# Altium PCB iono_pico.PcbDoc (part 1 of 2) (continued)
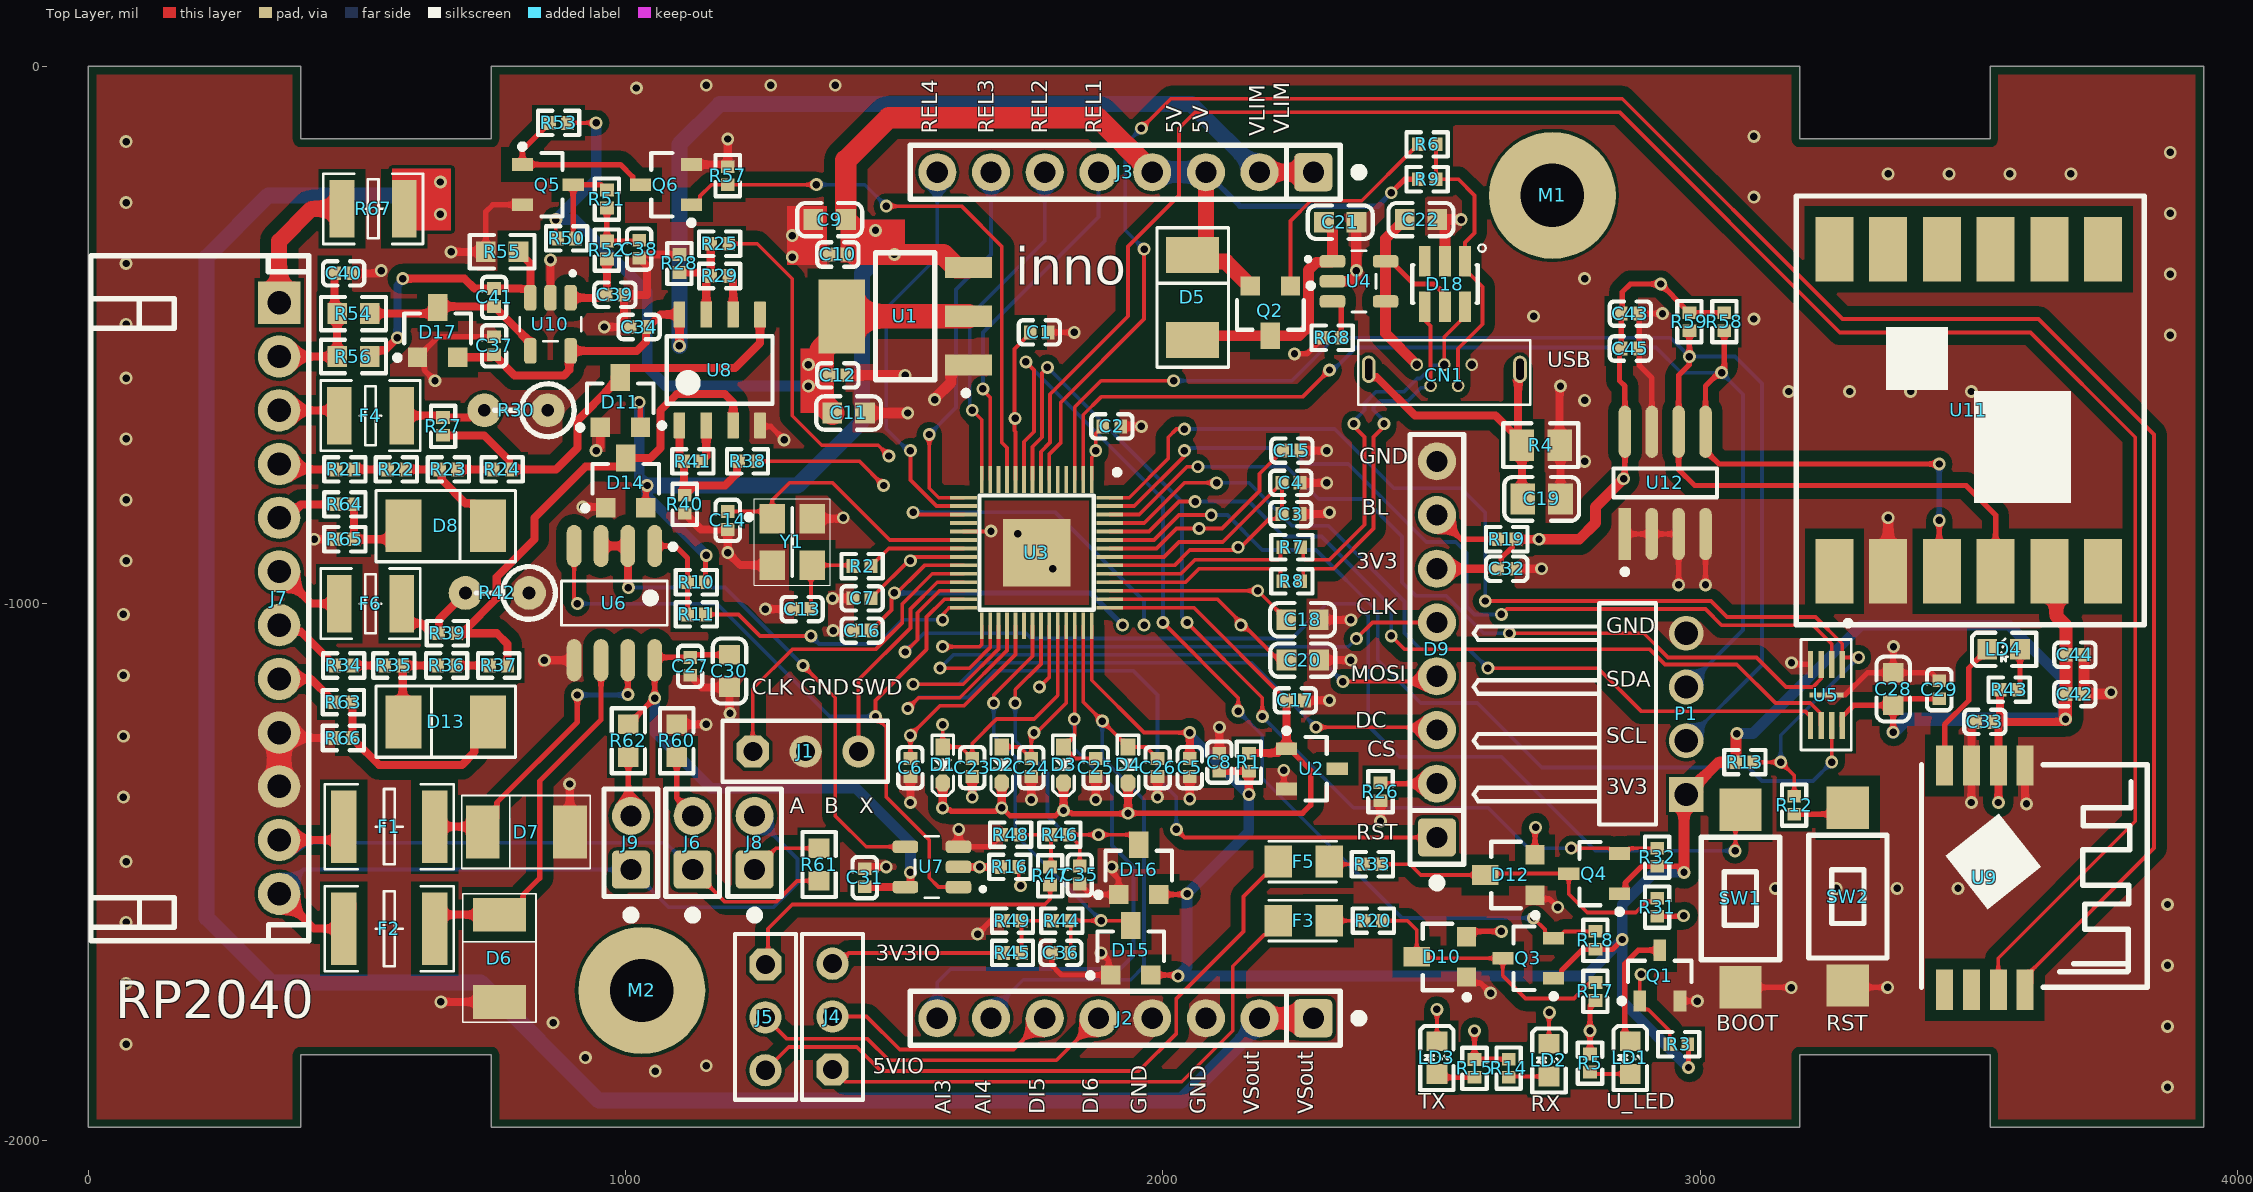
[diagram p0: Top Layer view]
## Components (designator, comment, footprint, x,y, rotation, side; value= is the part's Value field where it differs from the comment) (continued)
J6 "HDR-S-1x2Pos" "Pin Header 1x2 TH Pitch 2.54mm" 1124.69,-1495 r90 top
J7 "HDR-S-1x12Pos" KF2EDGK-2.54-WI-12P 355,-990 r270 top locked
J8 "HDR-S-1x2Pos" "Pin Header 1x2 TH Pitch 2.54mm" 1240,-1495 r90 top
J9 "HDR-S-1x2Pos" "Pin Header 1x2 TH Pitch 2.54mm" 1009.69,-1495 r90 top
LD1 "Red" 0603_LED 2870,-1845 r270 top
LD2 "Red" 0603_LED 2718.58,-1849.68 r270 top
LD3 "Blue" 0603_LED 2510,-1845 r270 top
LD4 "Red" 0603_LED 3565,-1085 r0 top
M1 "THHole-Param" MTG300_600 2725,-240 r0 top
M2 "THHole-Param" MTG300_600 1030,-1720 r0 top
P1 "61300411021" HDR-2.54-1x4-H 2865,-1205 r270 top
Q1 "BSS123" SOT95P245X110-3N 2925,-1692.24 r0 top
Q2 "PMV48XP" SOT-23-3 2200,-455 r90 top
Q3 "BSS123" SOT95P245X110-3N 2680,-1660 r90 top
Q4 "BSS123" SOT95P245X110-3N 2802.76,-1502.4 r90 top
Q5 "BSS123" SOT95P245X110-3N 855,-220 r270 top
Q6 "BSS123" SOT95P245X110-3N 1075,-220 r90 top
R1 "330R ±1%" 0402_R 2160,-1295 r90 top
R2 "1K ±1%" 0402_R 1440,-930 r180 top
R3 "10K ±1%" 0402_R 2960,-1820 r180 top
R4 "1M ±1%" 0805_R 2703.27,-705 r0 top
R5 "15K ±1%" 0402_R 2795,-1855 r270 top
R6 "47K ±1%" 0402_R 2491.73,-145 r180 top
R7 "27R ±1%" 0402_R 2240,-895 r0 top
R8 "27R ±1%" 0402_R 2240,-958.33 r0 top
R9 "10K ±1%" 0402_R 2491.73,-210 r0 top
R10 "4K7 ±1%" 0402_R 1131.73,-960 r0 top
R11 "10K ±1%" 0402_R 1131.73,-1020 r180 top
R12 "1K ±1%" 0402_R 3175,-1375 r270 top
R13 "10K ±1%" 0402_R 3083.27,-1295 r0 top
R14 "1K2 ±1%" 0402_R 2643.58,-1864.68 r90 top
R15 "1K2 ±1%" 0402_R 2580,-1865 r90 top
R16 "10K ±1%" 0402_R 1715,-1490 r180 top
R17 "220R ±1%" 0402_R 2805,-1721.73 r90 top
R18 "10K ±1%" 0402_R 2805,-1626.73 r90 top
R19 "2K2±1%" 0402_R 2640,-880 r0 top
R20 "220R ±1%" 0402_R 2391.73,-1590 r0 top
R21 "330K ±1%" 0402_R 477.32,-750 r180 top
R22 "45K3 ±1%" 0402_R 573.27,-750 r180 top
R23 "47K ±1%" 0402_R 670,-750 r180 top
R24 "1K8 ±1%" 0402_R 770,-750 r180 top
R25 "2K2±1%" 0402_R 1175,-330 r0 top
R26 "10K ±1%" 0402_R 2405,-1350 r270 top
R27 "47K ±1%" 0402_R 660,-670 r90 top
R28 "10K ±1%" 0402_R 1100,-366.73 r90 top
R29 "47K ±1%" 0402_R 1175,-390 r0 top
R30 "120R ±1%" "RS 1/4W-V3" 855,-640 r180 top
R31 "220R ±1%" 0402_R 2920,-1565 r90 top
R32 "10K ±1%" 0402_R 2920,-1471.73 r90 top
R33 "220R ±1%" 0402_R 2390,-1485 r0 top
R34 "330K ±1%" 0402_R 475,-1115 r180 top
R35 "45K3 ±1%" 0402_R 568.27,-1115 r180 top
R36 "47K ±1%" 0402_R 666.73,-1115 r180 top
R37 "1K8 ±1%" 0402_R 763.27,-1115 r180 top
R38 "2K2±1%" 0402_R 1226.73,-735 r0 top
R39 "47K ±1%" 0402_R 668.27,-1055 r180 top
R40 "10K ±1%" 0402_R 1110,-815 r270 top
R41 "47K ±1%" 0402_R 1125,-735 r0 top
R42 "120R ±1%" "RS 1/4W-V3" 820,-980 r180 top
R43 "4K7 ±1%" 0402_R 3575,-1160 r180 top
R44 "100K ±1%" 0402_R 1811.73,-1590 r180 top
R45 "4K7 ±1%" 0402_R 1720,-1650 r180 top
R46 "100K ±1%" 0402_R 1808.27,-1430 r180 top
R47 "4K7 ±1%" 0402_R 1790,-1506.73 r270 top
R48 "2K2 ±1%" 0402_R 1716.73,-1430 r180 top
R49 "2K2 ±1%" 0402_R 1720,-1590 r180 top
R50 "1K ±1%" 0402_R 890,-320 r0 top
R51 "680K ±1%" 0402_R 965,-246.73 r270 top
R52 "680K ±1%" 0402_R 965,-341.73 r270 top
R53 "3K3 ±1%" 0402_R 875,-105 r180 top
R54 "100R ±1%" 0603_R 493.27,-460 r180 top
R55 "330K ±1%" 0603_R 770,-345 r0 top
R56 "680K ±1%" 0603_R 493.27,-540 r180 top
R57 "4K7 ±1%" 0402_R 1190,-203.27 r90 top
R58 "2K2 ±1%" 0402_R 3045,-475 r270 top
R59 "2K2 ±1%" 0402_R 2980,-475 r270 top
R60 "620R ±1%" 0603_R 1095,-1255 r90 top
R61 "120R ±1%" 0603_R 1360,-1485.63 r90 top
R62 "620R ±1%" 0603_R 1005,-1255 r90 top
R63 "1K ±1%" 0402_R 474.41,-1183.27 r0 top
R64 "1K ±1%" 0402_R 477.32,-815 r0 top
R65 "3K3 ±1%" 0402_R 477.32,-880 r0 top
R66 "3K3 ±1%" 0402_R 474.41,-1250 r0 top
R67 "0R" 1210_R 530,-265 r180 top
R68 "15K ±1%" 0402_R 2315,-505 r0 top
SW1 "=Family" KEY-SMD_L6.1-W3.7-LS8.0 3075,-1548.72 r90 top
SW2 "=Family" KEY-SMD_L6.1-W3.7-LS8.0 3275,-1545.35 r90 top
U1 "AMS1117-3.3" SOT-223 1520,-465 r90 top
U2 "LM4040BIM3-3.0/NOPB" SOT23 2277.24,-1307.4 r270 top
U3 "PICO" RP2040 1765,-905 r270 top
U4 "SY6280AAAC" SOT-23-5 2365,-400 r0 top
U5 "W25Q16JVUXIQ" W25Q16JVUXIQ_WIN 3235,-1170 r270 top
U6 "SP485EN-L" SOIC8 980,-1000 r270 top
U7 "SN74AHC1G00DBVRG4" SOT-23-5 1570,-1490 r180 top
U8 "MCP607T-I/SN" D0008A_L 1175,-565 r0 top
U9 "CH_BLE2U" CH_BLE2U 3505,-1510 r270 top
U10 "TSX561A" SOT-23-5 860,-480 r270 top
U11 "WT_MPU6050" WT_MPU6050 3500,-640 r270 top
U12 "AT24C16" FP-SO8N-SO-A-IPC_A 2935,-775.12 r0 top
Y1 "12Mhz  50ppm" OSC_SI-TIME_SIT1602-2 1310,-885 r270 top

## Footprints (in the part's own frame and the unit in brackets; to place one, negate y for a bottom-side part, rotate by r counter-clockwise, add the part's x,y. Pads: shape width x height; smd on the part's side, far side on the other; paste and mask are expansions set on the pad)
0402_C [mm]
  rect 0.6x0.65 smd mask+0.051: 1(-0.425,0) 2(0.425,0)
  silkscreen extent -0.97,-0.58 0.97,0.58, body extent -0.48,-0.3 0.52,0.3, height 0.2
0402_R [mm]
  rect 0.6x0.65 smd mask+0.051: 1(-0.425,0) 2(0.425,0)
  silkscreen extent -0.97,-0.58 0.97,0.58, body extent -0.57,-0.27 0.58,0.28, height 0.41
0603_C [mm]
  rect 0.93x0.98 smd: 1(-0.77,0) 2(0.77,0)
  silkscreen extent -1.53,-0.79 1.54,0.79, body extent -0.8,-0.4 0.8,0.4, height 0.3
0603_LED [mm]
  rect 0.93x0.98 smd: 1(0.77,0) 2(-0.77,0)
  silkscreen extent -1.5,-0.79 1.54,0.79, body extent -0.8,-0.4 0.8,0.4, height 0.6
0603_R [mm]
  rect 0.93x0.98 smd: 1(-0.77,0) 2(0.77,0)
  silkscreen extent -1.53,-0.79 1.54,0.79, body extent -0.85,-0.4 0.85,0.4, height 0.56
0805_C [mm]
  rect 1.16x1.47 smd: 1(-0.89,0) 2(0.89,0)
  silkscreen extent -1.77,-1.04 1.77,1.04, body extent -1,-0.62 1,0.63, height 0.77
0805_R [mm]
  rect 1.16x1.47 smd: 1(-0.89,0) 2(0.89,0)
  silkscreen extent -1.77,-1.04 1.77,1.03, body extent -1,-0.62 1,0.63, height 0.49
1210_R [mm]
  rect 1.16x2.72 smd: 1(-1.475,0) 2(1.475,0)
  silkscreen extent -2.35,-1.66 2.36,1.66, body extent -1.6,-1.25 1.6,1.25, height 0.6
1812_R [mm]
  rect 1.2x3.42 smd: 1(-2.15,0) 2(2.15,0)
  silkscreen extent -3.05,-2.01 3.05,2.01, body extent -2.25,-1.6 2.25,1.6, height 0.59
CH_BLE2U [mm]
  rect 1.9x0.8 smd: 1(-5.3,2.54) 2(-5.3,1.27) 3(-5.3,0) 4(-5.3,-1.27) 5(5.3,-1.27) 6(5.3,0) 7(5.3,1.27) 8(5.3,2.54)
  silkscreen extent -5.33,-2.36 5.18,8.31
D0008A_L [mm] "SOIC, 8-Leads, Body 5x4mm, Pitch 1.27mm, IPC High Density"
  rrect18% 0.55x1.25 smd: 1(-1.905,-2.625) 2(-0.635,-2.625) 3(0.635,-2.625) 4(1.905,-2.625) 5(1.905,2.625) 6(0.635,2.625) 7(-0.635,2.625) 8(-1.905,2.625)
  silkscreen extent -2.85,-2.75 2.5,1.6, body extent -2.45,-3 2.45,3, height 1.63
DO-214AA [mm]
  rect 1.6x2.5 smd mask+0.051: 1(-2.06,0) 2(2.06,0)
  silkscreen extent -3.05,-1.73 3.02,1.73, body extent -2.87,-1.65 2.87,1.65, height 2
DO-214AC [mm]
  rect 1.7x2.5 smd: 1(-2,0) 2(2,0)
  silkscreen extent -3.3,-1.68 3.3,1.7, body extent -2.85,-1.25 2.85,1.25, height 1.9
FP-SO8N-SO-A-IPC_A [mil]
  rect 23.31x97.4 smd paste+0 mask+0: 1(-75,-95.12)
  rrect100% 23.31x97.4 smd paste+0 mask+0: 2(-25,-95.12) 3(25,-95.12) 4(75,-95.12) 5(75,95.12) 6(25,95.12) 7(-25,95.12) 8(-75,95.12)
  silkscreen extent -96,-170 96,27, body extent -96,-118 96,118, height 69
"FU 0805" [mm] "PTC"
  rect 1.3x1.5 smd: 1(-1.143,0)
  rect 1.3x1.5 smd mask+0.07: 2(1.27,0)
  silkscreen extent -1.6,-0.97 1.6,0.97, body extent -1.79,-0.75 1.92,0.75, height 0.87
HDR-2.54-1x3-V [mil] "2.54mm,3Pos"
  oct 60x60 hole 35.43 mask+4.02: 1(-98.43,0)
  round 60 hole 35.43: 2(0,0)
  round 60 hole 35.43 mask+4.02: 3(98.43,0)
  silkscreen extent -155,-56 154,57, body extent -144,-49 145,49, height 327
HDR-2.54-1x4-H [mm] "Pin Header, pitch 2.54 mm, THT, Angled, single row, 4p"
  rect 1.65x1.65 hole 1.1: 1(3.81,2.77)
  round 1.65 hole 1.1: 2(1.27,2.77) 3(-1.27,2.77) 4(-3.81,2.77)
  silkscreen extent -5.23,-7.27 5.23,1.35, body extent -5.08,-7.27 5.08,3.09, height 2.58
HX-2.54-F-1x3-V [mil] "2.54mm,3Pos"
  oct 60x60 hole 35.43 mask+4.02: 1(-98.43,0)
  round 60 hole 35.43: 2(0,0)
  round 60 hole 35.43 mask+4.02: 3(98.43,0)
  silkscreen extent -155,-57 154,57, body extent -150,-49 150,51, height 335
HX-2.54-F-1x8-V [mm] "PinHeader 1x8 TH Pitch 2.54mm"
  rrect25% 1.8x1.8 hole 1: 1(0,0)
  round 1.8 hole 1: 2(2.54,0) 3(5.08,0) 4(7.62,0) 5(10.16,0) 6(12.7,0) 7(15.24,0) 8(17.78,0)
  silkscreen extent -2.3,-1.27 19.05,1.27, body extent -1.27,-1.27 19.05,1.27, height 8.5
KEY-SMD_L6.1-W3.7-LS8.0 [mm]
  rect 2x2 smd: 1(-4.2,0) 2(4.2,0)
  silkscreen extent -2.9,-1.85 2.9,1.85
KF2EDGK-2.54-WI-12P [mm] "长：32.38mm，宽：10.1mm，高：8.1mm"
  rect 2x2 hole 1.1: 1(-13.97,0)
  round 2 hole 1.1: 2(-11.43,0) 3(-8.89,0) 4(-6.35,0) 5(-3.81,0) 6(-1.27,0) 7(1.27,0) 8(3.81,0) 9(6.35,0) 10(8.89,0) 11(11.43,0) 12(13.97,0)
  silkscreen extent -16.19,-8.9 16.19,1.4, body extent -16.19,-8.9 16.19,1.2, height 8.15
MTG300_600 [mm] "Plated Through Hole: Hole Dia.=3.0mm Pad Dia.=6.0mm"
  round 6 hole 3: 1(0,0)
  body extent -3,-3 3,3, height 0.02
OSC_SI-TIME_SIT1602-2 [mm]
  rect 1.4x1.2 smd: 1(-1.1,-0.95) 2(1.1,-0.95) 3(1.1,0.95) 4(-1.1,0.95)
  silkscreen extent -2.05,-2.17 2.05,1.8, body extent -1.8,-1.55 1.8,1.55, height 0.8
"Pin Header 1x2 TH Pitch 2.54mm" [mm] "PinHeader 1x2 TH Pitch 2.54mm"
  rrect25% 1.8x1.8 hole 1: 1(0,0)
  round 1.8 hole 1: 2(2.54,0)
  silkscreen extent -2.3,-1.27 3.81,1.27, body extent -1.27,-1.27 3.81,1.27, height 9.5
"Pin Header 1x8 TH Pitch 2.54mm" [mm] "PinHeader 1x8 TH Pitch 2.54mm"
  rrect25% 1.8x1.8 hole 1: 1(0,0)
  round 1.8 hole 1: 2(2.54,0) 3(5.08,0) 4(7.62,0) 5(10.16,0) 6(12.7,0) 7(15.24,0) 8(17.78,0)
  silkscreen extent -2.3,-1.27 19.05,1.27, body extent -1.27,-1.27 19.05,1.27, height 9.5
RP2040 [mil] "Thin QFP, 100-Leads, Body 14x14mm, Pitch 0.5mm, IPC High Density"
  rect 50x7 smd paste+0 mask+0: 1(-136,102.36) 2(-136,86.61) 3(-136,70.87) 4(-136,55.12) 5(-136,39.37) 6(-136,23.62) 7(-136,7.87) 8(-136,-7.87) 9(-136,-23.62) 10(-136,-39.37) 11(-136,-55.12) 12(-136,-70.87) 13(-136,-86.61) 14(-136,-102.36) 29(136,-102.36) 30(136,-86.61) 31(136,-70.87) 32(136,-55.12) 33(136,-39.37) 34(136,-23.62) 35(136,-7.87) 36(136,7.87) 37(136,23.62) 38(136,39.37) 39(136,55.12) 40(136,70.87) 41(136,86.61) 42(136,102.36)
  rect 7x50 smd paste+0 mask+0: 15(-102.36,-136) 16(-86.61,-136) 17(-70.87,-136) 18(-55.12,-136) 19(-39.37,-136) 20(-23.62,-136) 21(-7.87,-136) 22(7.87,-136) 23(23.62,-136) 24(39.37,-136) 25(55.12,-136) 26(70.87,-136) 27(86.61,-136) 28(102.36,-136) 43(102.36,136) 44(86.61,136) 45(70.87,136) 46(55.12,136) 47(39.37,136) 48(23.62,136) 49(7.87,136) 50(-7.87,136) 51(-23.62,136) 52(-39.37,136) 53(-55.12,136) 54(-70.87,136) 55(-86.61,136) 56(-102.36,136)
  rect 126x126 smd paste-62.5 mask+0: 57(0,0)
  silkscreen extent -155,-106 106,155, body extent -138,-138 138,138, height 35
"RS 1/4W-V3" [mm] "直插色环电阻，脚距3mm，直径2.3mm"
  round 1.6 hole 0.6: 1(0,0) 2(3,0)
  silkscreen extent -1.25,-1.25 2.5,1.25, body extent -1.16,-1.16 3.23,1.16, height 7.42
SOD-523 [mm] "1.2x0.8X0.6mm（长宽高，不包括引脚）"
  oct 0.8x0.7 smd: 1(0.85,0)
  rect 0.8x0.7 smd: 2(-0.85,0)
  silkscreen extent -1.4,-0.51 1.45,0.51, body extent -0.8,-0.4 0.8,0.4, height 0.65
SOIC8 [mm] "SOIC, 8-Leads, Body 4.9x3.9mm, Pitch 1.27mm, IPC Low Density"
  oval 2x0.7 smd: 1(-2.725,1.88) 2(-2.725,0.61) 3(-2.725,-0.66) 4(-2.725,-1.93) 5(2.675,-1.93) 6(2.675,-0.66) 7(2.675,0.61) 8(2.675,1.88)
  silkscreen extent -2.82,-2.53 1.02,2.87, body extent -2.92,-2.53 3.08,2.47, height 1.75
SOT23 [mm]
  rect 0.6x1 smd: 1(-0.95,-1.2) 2(0.95,-1.2) 3(0,1.2)
  silkscreen extent -1.92,-1.32 1.5,0.7, body extent -1.5,-1.3 1.5,1.3, height 1.1
SOT23-6 [mm] "SOT-23/SC-74A; 5 Leads; Body 3.1 x 3 mm, inc. leads (LxW max)"
  rect 0.55x1.45 smd: 1(0.95,1.075) 2(0,1.075) 3(-0.95,1.075) 4(-0.95,-1.075) 5(0,-1.075) 6(0.95,-1.075)
  silkscreen extent -1.55,-0.9 1.93,1.88, body extent -1.43,-1.2 1.49,1.14, height 1
SOT95P245X110-3N [mm] "SOT23, 3-Leads, Body 2.90x2.45mm, Pitch 0.95mm, IPC Medium Density"
  rect 0.6x1 smd: 1(-0.95,-1.2) 2(0.95,-1.2) 3(0,1.2)
  silkscreen extent -1.92,-1.32 1.5,0.7, body extent -1.5,-1.3 1.5,1.3, height 1.1
SOT-23-3 [mm]
  rect 0.914x0.914 smd mask+0.07: 1(1.175,-0.95) 2(1.175,0.95)
  rect 1.27x0.924 smd: 3(-1.175,0)
  silkscreen extent -0.89,-2.03 1.32,1.57, body extent -1.67,-1.55 1.68,1.55, height 1.1
SOT-23-5 [mm]
  rrect50% 1.21x0.59 smd: 1(-1.255,0.95) 2(-1.255,0) 3(-1.255,-0.95) 4(1.255,-0.95) 5(1.255,0.95)
  silkscreen extent -2.51,-1.45 0.8,1.45, body extent -1.4,-1.45 1.4,1.45, height 1.45
SOT-223 [mm]
  rect 1x2.2 smd: 1(-2.3,-3) 2(0,-3) 3(2.3,-3)
  rect 3.5x2.2 smd: 2(0,3)
  silkscreen extent -3.75,-3 3,1.4, body extent -3.24,-3.49 3.24,3.49, height 1.64
USB-MICRO-A [mm]
  oval 0.65x1.3 hole 0.35 slot 1 at 90 deg: 0(-3.575,0.28) 0(3.575,0.28)
  round 0.6 hole 0.4: 1(-1.3,0.5) 2(-0.65,-0.5) 3(0,0.5) 4(0.65,-0.5) 5(1.3,0.5)
  silkscreen extent -4.06,-1.4 4.06,1.65, body extent -4,-1.4 4,1.62, height 6.54
W25Q16JVUXIQ_WIN [mil]
  rect 50x10 smd paste+0 mask+0: 1(-57.06,29.53) 2(-57.06,9.84) 3(-57.06,-9.84) 4(-57.06,-29.53) 5(57.06,-29.53) 6(57.06,-9.84) 7(57.06,9.84) 8(57.06,29.53)
  rect 10x63 smd paste+0 mask+0: 9(0,0)
  silkscreen extent -139,-47 102,46, body extent -60,-39 58,39, height 24
WT_MPU6050 [mil]
  rect 120x70.87 smd: 1(-300,250) 2(-300,150) 3(-300,50) 4(-300,-50) 5(-300,-150) 6(-300,-250) 7(300,-250) 8(300,-150) 9(300,-50) 10(300,50) 11(300,150) 12(300,250)
  silkscreen extent -399,-321 399,327

## Part data
C1 C2 C3 C4 C5 C6 C7 C8 C10 C12 C15 C16 C17 C27 C29 C31 C32 C33 C34 C37 C38 C39 C40 C41 C42 C43 C44 C45: library part "0402 100nF (104) 10% 16V", "贴片电容", Package=0402, SuppliersPartNumber=C1525, ComponentLink1Description=供?, ComponentLink1URL=http://www.szlcsc.com/product/details_1877.html, Supplier=LC
C9 C11 C21 C22: library part "0603 10uF (106) 10% 10V", "贴片电容", Package=0603, SuppliersPartNumber=C19702, ComponentLink1Description=供?, ComponentLink1URL=http://www.szlcsc.com/product/details_20411.html, Supplier=LC
C13 C14: library part "0402 10pF (100) 5% 50V", "贴片电容", Package=0402, SuppliersPartNumber=C32949, ComponentLink1Description=供?, ComponentLink1URL=http://www.szlcsc.com/product/details_33914.html, Supplier=LC
C18 C20 C28 C30: library part "0603 10pF (100) 5% 50V", "贴片电容", Package=0603, SuppliersPartNumber=C1634, ComponentLink1Description=供?, ComponentLink1URL=http://www.szlcsc.com/product/details_1986.html, Supplier=LC
C19: library part "0603 1.5nF (152) 10% 50V", "贴片电容", Package=0603, SuppliersPartNumber=C1595, ComponentLink1Description=供?, ComponentLink1URL=http://www.szlcsc.com/product/details_1947.html, Supplier=LC
C23 C24 C25 C26 C35 C36: library part "0402 150pF (151) 10% 50V", "贴片电容", Package=0402, SuppliersPartNumber=C1527, ComponentLink1Description=供?, ComponentLink1URL=http://www.szlcsc.com/product/details_1879.html, Supplier=LC
CN1: library part Micro-USB2.0-2, "Micro USB 2.0 Type AB Receptacle WR-COM, Horizontal, SMT", Contact Resistance=30mOhm, Manufacturer="Wurth Elektronik", Operating Temperature=-40to85degC, Package Reference=629105150921, Rated Current=1.8A, Working Voltage=30VAC, Connector Type=MicroUSB2.0TypeAB, Datasheet URL=https://katalog.we-online.de/em/datasheet/629105150921.pdf, Gender=Receptacle, Manufacturer URL=http://www.we-online.de, Mounting Technology=SMT, Orientation=Horizontal, Packaging=TapeandReel, Part Number=629105150921, Publisher=WurthElektronik
D1 D2 D3 D4: library part B230A-13-F, "B230A-13-F,SCHOTTKY RECTIFIER", Average Rectified Current=2A, Capacitance=200pF, Case/Package=SMA, Forward Voltage=500mV, Manufacturer=Diodes, Max Forward Surge Current (Ifsm)=50A, Max Operating Temperature=150°C, Max Repetitive Reverse Voltage (Vrrm)=30V, Min Operating Temperature=-65°C, Package Quantity=5000, Peak Reverse Current=500uA, Supplier Part Number 1=B230A-FDICT-ND, Category="Rectifier Diodes", ComponentLink1Description=https://datasheet.ciiva.com/27052/1538769-27052351.pdf?src-supplier=Jameco, ComponentLink1URL=https://datasheet.ciiva.com/27052/1538769-27052351.pdf?src-supplier=Jameco, ComponentLink2Description=https://datasheet.ciiva.com/16289/ds13004-16289654.pdf?src-supplier=Future+Electronics, ComponentLink2URL=https://datasheet.ciiva.com/16289/ds13004-16289654.pdf?src-supplier=Future+Electronics, ComponentLink3Description=https://datasheet.ciiva.com/8301/ds13004-8301593.pdf?src-supplier=Avnet, ComponentLink3URL=https://datasheet.ciiva.com/8301/ds13004-8301593.pdf?src-supplier=Avnet, ComponentLink4Description=https://datasheet.ciiva.com/4715/ds13004-70120-4715546.pdf?src-supplier=Mouser, ComponentLink4URL=https://datasheet.ciiva.com/4715/ds13004-70120-4715546.pdf?src-supplier=Mouser, ComponentLink5Description=https://datasheet.ciiva.com/22695/1911814-22695786.pdf?src-supplier=Element14, ComponentLink5URL=https://datasheet.ciiva.com/22695/1911814-22695786.pdf?src-supplier=Element14, Contact Plating=Tin,Matte, Current Rating=2A, Element Configuration=Single, Forward Current=2A, Height=2.1mm, Lead Free="Lead Free", Length=4.6mm, Manufacturer Part Number=B230A-13-F, Max Reverse Voltage (DC)=30V, Mount="Surface Mount", Number of Pins=2, Output Current=2A, Packaging="Tape and Reel", Peak Non-Repetitive Surge Current=50A, Polarity=Standard, Pricing 1="1=0.45000, 10=0.33900, 25=0.30560, 100=0.16110, 250=0.15944, 500=0.14276, 1000=0.11110, 2500=0.10166 (USD)", Radiation Hardening=No, REACH SVHC="No SVHC", RoHS=Yes, Stock 1=36331, Supplier 1=Digi-Key, Termination=SMD/SMT, Voltage Rating (DC)=30V, Weight=0.002258oz, Width=2.92mm
D5: library part SMAJ16A, "Transient Voltage Suppressor, 6.40 to 231 V, 16 V Stand-off Voltage, Uni-Directional, -55 to 155 degC, 2-pin DO-214AC, Pb-Free, Tape and Reel", Manufacturer="Vishay Semiconductor", Operating Junction and Storage Temperature Range="-55 to 150 degC", PartNumber=SMAJ16A-E3/61, ComponentLink1Description="Manufacturer URL", ComponentLink1URL=http://www.vishay.com/, ComponentLink2Description=Datasheet, ComponentLink2URL=http://www.vishay.com/docs/88390/smaj50a.pdf, ComponentLink3Description="Package Specification", ComponentLink3URL=http://www.vishay.com/docs/88390/smaj50a.pdf, DatasheetVersion=12/8/2013, ID (uA)=1, IFSM="40 A", Mounting Technology="Surface Mount", PackageDescription="2-Pin DO-214AC (SMA), Body 4.245 x 2.665 mm", PackageReference=DO-214AC-2, Packing="Tape and Reel", PPPM (W)="400, 300", RoHS=TRUE, VBR Uni-Directional (V)="6.4 to 231", VWM (V)=16
D6 D7: library part TBV05C, "TVS,ESD二极管"
D8 D13: library part B5817WS-TP, "肖特基二极管", Average Rectified Current=1A, Forward Voltage=450mV, Manufacturer=MCC, Max Forward Surge Current (Ifsm)=10A, Max Operating Temperature=125°C, Max Repetitive Reverse Voltage (Vrrm)=20V, Max Reverse Current=1mA, Package Quantity=1, Supplier Part Number 1=B5817WS-TPMSCT-ND, Category="Rectifier Diodes", ComponentLink1Description=https://datasheet.ciiva.com/912/b5817ws-b5819wssod-323-912713.pdf?src-supplier=Digi-Key, ComponentLink1URL=https://datasheet.ciiva.com/912/b5817ws-b5819wssod-323-912713.pdf?src-supplier=Digi-Key, ComponentLink2Description=https://datasheet.ciiva.com/7624/b5817ws-b5819wssod-323-7624698.pdf?src-supplier=Element14, ComponentLink2URL=https://datasheet.ciiva.com/7624/b5817ws-b5819wssod-323-7624698.pdf?src-supplier=Element14, ComponentLink3Description=https://datasheet.ciiva.com/912/b5817ws-b5819wssod-323-912711.pdf?src-supplier=Digi-Key, ComponentLink3URL=https://datasheet.ciiva.com/912/b5817ws-b5819wssod-323-912711.pdf?src-supplier=Digi-Key, ComponentLink4Description=https://datasheet.ciiva.com/912/b5817ws-b5819wssod-323-912712.pdf?src-supplier=Digi-Key, ComponentLink4URL=https://datasheet.ciiva.com/912/b5817ws-b5819wssod-323-912712.pdf?src-supplier=Digi-Key, ComponentLink5Description=https://datasheet.ciiva.com/17182/b5817ws-b5819wssod-323-17182367.pdf?src-supplier=Future+Electronics, ComponentLink5URL=https://datasheet.ciiva.com/17182/b5817ws-b5819wssod-323-17182367.pdf?src-supplier=Future+Electronics, Element Configuration=Single, Forward Current=1A, Lead Free="Lead Free", Manufacturer Part Number=B5817WS-TP, Max Reverse Voltage (DC)=20V, Mount="Surface Mount", Number of Pins=2, Packaging="Tape and Reel", Pricing 1="1=0.43000, 10=0.30300, 100=0.15310, 500=0.12486, 1000=0.09264 (USD)", REACH SVHC=Unknown, RoHS=Yes, RoHS Compliant=Yes, Stock 1=47317, Supplier 1=Digi-Key
D10 D11 D12 D14 D15 D16 D17: "肖特基二极管"
D18: "USB ESD保护"
F1 F2 F3 F4 F5 F6: library part "Fuse 2A 0805", "贴片保险，自恢复"
J1 J2 J3: "2.54mm 排针"
J4 J5 J6 J7 J8 J9: "2.54mm 排座"
LD1 LD2 LD3 LD4: library part LED, "贴片LED", 学习资源=ww
M1 M2: library part MHole-1, "金属化可接地固定孔"
P1: library part HDR-1x4Pos, "2.54mm 排针", Contact Resistance=20mOhm, Manufacturer="Wurth Elektronik", Operating Temperature=-40to105degC, Rated Current=3A, Withstanding Voltage=500VAC, Working Voltage=250VAC, Datasheet URL=https://katalog.we-online.de/em/datasheet/6130xx11021.pdf, Gender=Male, Manufacturer URL=http://www.we-online.de, Mounting Technology=THT, Orientation=Angled, Package Reference=61300411021, Packaging=Bag, Part Number=61300411021, Pin Number=4, Pitch=2.54mm, Publisher=WurthElektronik, Row Number=Single
Q1 Q3 Q4 Q5 Q6: library part 2N7002, "Trans Mosfet N-ch 60V 0.115A 3-PIN SOT-23 T/r", Case/Package=SOT-23, Continuous Drain Current (ID)=300mA, Drain to Source Resistance=4R, Drain to Source Voltage (Vdss)=60V, Gate to Source Voltage (Vgs)=20V, Input Capacitance=13pF, Manufacturer=Infineon, Max Operating Temperature=150°C, Max Power Dissipation=500mW, Min Operating Temperature=-55°C, Supplier Part Number 1=2N7002H6327XTSA2CT-ND, Category=MOSFETs, ComponentLink1Description=http://uk.rs-online.com/webdocs/1073/0900766b81073ec5.pdf?src-supplier=RSComponents, ComponentLink1URL=http://uk.rs-online.com/webdocs/1073/0900766b81073ec5.pdf?src-supplier=RSComponents, Element Configuration=Single, Halogen Free="Halogen Free", Height=1mm, Length=2.9mm, Manufacturer Part Number=2N7002, Max Dual Supply Voltage=60V, Number of Pins=3, Packaging="Tape and Reel", Pricing 1="1=0.29000, 10=0.23500, 25=0.19720, 100=0.09640, 250=0.09484, 500=0.08038, 1000=0.05585 (USD)", Rds On Max=3R, RoHS=Yes, Stock 1=36038, Supplier 1=Digi-Key, Turn-Off Delay Time=5.5ns, Turn-On Delay Time=3ns, Width=1.3mm
Q2: "MOSFET P-CH -20 V -3.5 A"
R1 R2 R3 R4 R5 R6 R7 R8 R9 R12 R13 R17 R18 R19 R20 R21 R22 R23 R24 R25 R26 R27 R28 R29 R30 R31 R32 R33 R34 R35 R36 R37 R38 R39 R40 R41 R42 R44 R45 R46 R47 R48 R49 R50 R51 R52 R53 R54 R55 R56 R57 R58 R59 R60 R61 R62 R63 R64 R65 R66 R67 R68: library part "0402 1.2KΩ (1201) 1%", "贴片电阻", Package=0402, SuppliersPartNumber=C25862, ComponentLink1Description=供?, ComponentLink1URL=http://www.szlcsc.com/product/details_26605.html, Supplier=LC
R10 R11 R14 R15 R16 R43: library part "0402 100KΩ (1003) 1%", "贴片电阻", Package=0402, SuppliersPartNumber=C25741, ComponentLink1Description=供?, ComponentLink1URL=http://www.szlcsc.com/product/details_26484.html, Supplier=LC
SW1 SW2: library part "SW 1x SPST DIP Switch", "1 Ways SPST DIP Switch"
U1: "低压差线性稳压(LDO)", Package=SOT-223, SuppliersPartNumber=C6186, ComponentLink1Description=供?, ComponentLink1URL=http://www.szlcsc.com/product/details_6652.html, Supplier=LC
U2: "电压基准，输出类型：固定 输出电压：3V 输出电流：15mA 精度：±0.1% 温度系数：100ppm/℃ 最小阴极电流调节：67μA 工作温度：-40℃~+85℃@(TA)"
U3: library part RP2040, "树莓派RP2040单片机"
U4: "USB电子开关，电流保护"
U5: "NOR快闪spiFlash, 3V, 16M-bit, 4Kb Uniform Sector, DTR, USON-8", Mfr_Name=Winbond, Copyright="Copyright (C) 2022 Ultra Librarian. All rights reserved.", Manufacturer_Part_Number=W25Q16JVUXIQ, RefDes=RefDes, Type=DEV
U6: "Enhanced Low Power Half-Duplex RS-485 Transceivers", Package=None, Availability=Unavailable, MF="{'manufacturer': u'MaxLinear, Inc.'}", MP=SP485EN-L, Price=None
U7: "与非门", Package=None, Availability=Unavailable, MF="{'manufacturer': u'Texas Instruments'}", MP=SN74AHC1G00DBVRG4, Price=None
U8: library part TI-LM358DR, "Dual Operational Amplifier, 3 to 32 V, 0 to 70 degC, 8-Pin SOIC (D), Green (RoHS & no Sb/Br), Tape and Reel", Code_JEDEC=MS-012, ComponentLink1Description="Manufacturer URL", ComponentLink1URL=http://www.ti.com/, ComponentLink2Description=Datasheet, ComponentLink2URL=http://www.ti.com/lit/ds/symlink/lm358.pdf, ComponentLink3Description="Package Specification", ComponentLink3URL=http://www.ti.com/lit/ml/msoi002j/msoi002j.pdf, DatasheetVersion="SLOS068T, 04/2015", PackageDescription="8-Pin Small Outline Integrated Circuit, Body 4.9 x 3.9 mm, Pitch 1.27 mm", PackageReference=D0008A, PackageVersion="4040047-3/M, 06/2011"
U9: "BLE模块"
U12: library part ST-M24C02-WMN6TP, "IC EEPROM 2K I2C 400KHZ 8SO", Ambient Temperature Range High=+85°C, Ambient Temperature Range Low=-40°C, Frequency=400kHz, Manufacturer=STMicroelectronics, Manufacturer Part Number=M24C02-WMN6TP, Max Supply Voltage=5.5V, Min Supply Voltage=2.5V, Nominal Supply Current=0.5-1mA, Package=SO8N-SO-A, Temperature="-40°C to +85?", Access Time=900ns, Automotive=No, Category=IC, ComponentLink2Description=Datasheet, ComponentLink2URL=https://www.st.com/resource/en/datasheet/m24c02-w.pdf, Device Class L1="Integrated Circuits (ICs)", Device Class L2=Memory, Device Class L3=EEPROM, Digikey Description="IC EEPROM 2K I2C 400KHZ 8SO", Height=1.75mm, Interface=I2C, Lead Free=Yes, Memory Size=2Kbits, Memory Type=EEPROM, Mouser Description="M24C02 Series 2 Kb (256 x 8) 2.5 V SMT Serial I2C Bus EEPROM - SOIC-8", Octopart=https://octopart.com/m24c02-wmn6tp-stmicroelectronics-55404516, RoHS=TRUE, Standoff Height=0.1mm, Temperature Range High=+85°C, Temperature Range Low=-40°C
Y1: library part "Quartz Crystal 1X 2GND 3X 4GND", "贴片晶振 Crystal 4 pins 1=XTAL Control 2=GND3=XTAL 4=GND"

## Via types
v1: diameter 24.02, hole 13.78, Top Layer to Bottom Layer, 243 vias
v2: diameter 24, hole 13.78, Top Layer to Bottom Layer, 1 vias

## Nets (pads, with @x,y where several pads share a name; then routed paths per layer and width w, separated by ;. In a path a pad name is that pad's centre, name@x,y a point inside that pad or via, vN(x,y) a via of type N, cw(c..) or ccw(c..) an arc to the next point about the centre after c; other vN are vias at no path point)
3V3: C1.2 C2.2 C3.2 C4.2 C5.2 C6.2 C7.2 C8.2 C11.2 C12.2 C20.1 C28.2 C29.1 C32.1 C33.1 C42.1 C43.1 C44.1 C45.1 D9.6 D15.2 D16.2 P1.1 Q3.1 Q4.1 R1.1 R3.1 R13.1 R18.1 R19.2 R32.1 R43.2 R50.1 R53.1 R58.1 R59.1 U1.2 U3.1 U3.10 U3.22 U3.33 U3.42 U3.44 U3.48 U3.49 U5.8 U9.2 U11.11 U12.8 | length 12975.6
  Top Layer w7: v1(870,-285) 870,-316.73 R50.1@873.27,-320 ; R53.1@891.73,-105 v1(945,-105) ; C7.2@1456.73,-990 1533.86,-912.87 U3.22@1629,-912.87 ; C6.2@1530.63,-1289.37 1530,-1290 C6.2@1530,-1288.27 v1(1530,-1245) 1585,-1190 1630,-1190 1725.63,-1094.37 U3.33@1725.63,-1041 ; U3.10@1725.63,-769 1725.63,-680 1723.49,-677.86 1723.49,-525.76 C1.2@1753.27,-495.98 ; U3.42@1867.36,-1041 1867.36,-1142.36 1965,-1240 v1(2050,-1240) ; U3.1@1867.36,-769 1867.36,-727.24 1875,-719.6 v1(1875,-715) 1875,-683.4 1879.1,-679.3 1879.96,-679.3 1888.27,-670.98 C2.2@1888.27,-670 ; C2.2@1882.64,-667.36 C2.2@1885,-665 ; U3.44@1901,-991.61 2101.61,-991.61 2214.02,-1104.02 C20.1@2230,-1104.02 ; U3.48@1901,-928.62 2021.38,-928.62 2050,-900 v1@2140,-900 ; U3.49@1901,-912.87 2002.13,-912.87 2030,-885 2111.54,-885 C4.2@2221.54,-775 C3.2@2221.54,-833.15 2221.54,-834.13 2213.22,-842.44 2197.56,-842.44 v1@2142.5,-897.5 ; v1@3066.54,-1243.46 v1(3068.27,-1241.73) v1@3070,-1240
  Top Layer w10: D15.2@1977.4,-1691.26 2026.26,-1691.26 v1@2030,-1695 ; D16.2@1992.4,-1541.26 2043.74,-1541.26 v1(2045,-1540) ; C32.1@2623.27,-935 2629.54,-928.72 2629.54,-915.46 2649.92,-895.08 2649.92,-886.81 R19.2@2656.73,-880 ; Q3.1@2727.24,-1697.4 2735.12,-1697.4 2741.93,-1690.59 2741.93,-1682.72 2781.18,-1643.46 R18.1@2805,-1643.46 2836.54,-1643.46 v1(2855,-1625) ; Q4.1@2850,-1539.8 2854.34,-1539.8 2861.15,-1532.99 2861.15,-1518.85 2891.54,-1488.46 R32.1@2920,-1488.46 2957.13,-1488.46 2968.67,-1500 v1(2970,-1500) ; v1(2857.5,-767.5) 2860,-765 U12.8@2860,-680 2860,-595 2850,-585 2850,-528.27 C45.1@2853.27,-525 C43.1@2853.27,-460 2855,-458.27 2855,-420 2870,-405 v1(2926.73,-405) 2972.2,-450.47 2972.2,-451.46 2979.02,-458.27 R59.1@2980,-458.27 R58.1@3045,-458.27 ; R3.1@2976.73,-1820 2978.37,-1821.63 v1(2978.37,-1863.37) v1@2980,-1865 ; U5.8@3264.53,-1227.06 3264.53,-1210.47 3285.79,-1189.21 C28.2@3359.35,-1189.21 ; v1@3360,-1240 v1(3359.35,-1239.35) C28.2@3359.35,-1189.21 ; C29.1@3445,-1176.73 3371.83,-1176.73 C28.2@3359.35,-1189.21
  Top Layer w15: C5.2@2050,-1288.27 v1(2050,-1240) ; C8.2@2100,-1311.73 R1.1@2160,-1311.73 v1(2160,-1355) ; D9.6@2510,-935 2617.22,-935 2621.54,-939.31 C32.1@2621.54,-940 ; R19.2@2656.73,-880 v1(2700,-880) ; v1(3555,-1370) U9.2@3555,-1301.34 3555,-1229.25 3546.73,-1220.98 C33.1@3546.73,-1220 ; R43.2@3558.27,-1160 3558.27,-1207.48 3546.73,-1219.02 C33.1@3546.73,-1220 ; v1(3680,-1215) 3677.56,-1215 3672.56,-1220 C33.1@3546.73,-1220
  Top Layer w20: v1(2700,-880) 2775,-880 2805,-850 2805,-820 v1(2857.5,-767.5) ; v1(2970,-1500) 2970,-1359.06 P1.1@2974.06,-1355 3034.06,-1295 R13.1@3066.54,-1295 v1@3066.54,-1243.46
  Top Layer w25: U11.11@3650,-940 3662.86,-952.86 3662.86,-1022.86 3680.94,-1040.95 C44.1@3680.94,-1095.05 C42.1@3680.94,-1168.2 3680,-1169.14 v1(3680,-1215)
  Top Layer w45: C11.2@1384.68,-645 1365,-625.32 1365,-527.48 1401.89,-490.59 U1.2@1401.89,-465 U1.2@1638.11,-465
  Layer 2 w10: v1(1530,-1245) 1495,-1210 1495,-1055 1530,-1020 v1(1530,-920)
  Layer 2 w20: v1(1340,-595) 1340,-855 1405,-920 v1(1530,-920) ; v1(1340,-555) 1341.09,-555 1349.09,-546.99 1671.99,-546.99 1725,-600 v1(1725,-655) 1815,-655 v1(1875,-715) 1875.77,-714.23 1875.77,-699.23 1940,-635 2075,-635 2140,-700 v1(2140,-895) 2170,-895 2215,-940 2215,-1015 2190,-1040 v1(2145,-1040) 2050,-1135 v1(2050,-1240) ; v1(2700,-880) 3025,-880 3068.27,-923.27 v1(3068.27,-1241.73)
  Bottom Layer w20: v1(945,-105) 945,-210 v1(870,-285) 905,-285 1040,-420 1040,-560 1075,-595 v1(1340,-595) ; v1(2050,-1240) 2050.77,-1240.77 2050.77,-1245.77 v1(2160,-1355) 2160,-1425 v1(2045,-1540) 2045,-1676.26 v1(2028.13,-1693.13) 2786.87,-1693.13 v1(2855,-1625) ; v1(2970,-1500) 2915,-1500 2855,-1560 v1(2855,-1625) ; v1(2978.37,-1863.37) 2855,-1740 v1(2855,-1625) ; v1(3068.27,-1241.73) 3098.27,-1241.73 3300,-1040 3575,-1040 3675,-1140 3675,-1208.91 3680,-1213.91 v1(3680,-1215)
  Bottom Layer w25: v1(3359.35,-1239.35) 3383.7,-1215 v1(3680,-1215)
5V: C9.2 C10.2 C27.1 C30.2 C31.2 D5.1 D10.2 D11.2 D12.2 D14.2 J3.3 J3.4 Q2.2 R5.1 R9.1 R10.2 R17.1 R31.1 R62.2 U1.3 U6.8 U7.5 | length 7580.8
  Top Layer w10: R62.2@1005,-1224.68 1005.98,-1224.68 1019.29,-1211.38 1019.29,-1210.39 v1(1054,-1175.68) U6.8@1054,-1105.3 1059.3,-1100 C27.1@1120,-1100 1124.87,-1095.13 C30.2@1193.21,-1095.13 ; v1(1025,-625) 1027.4,-627.4 D11.2@1027.4,-671.26 ; D14.2@1037.4,-821.26 1037.4,-782.6 v1(1040,-780) ; R10.2@1148.46,-960 1148.46,-911.54 v1(1150,-910) ; v1(2425,-235) 2450,-210 R9.1@2475,-210 ; D10.2@2565,-1620.2 2575.2,-1610 v1(2630,-1610) ; D12.2@2692.52,-1467.6 2692.52,-1417.48 v1(2693.76,-1416.24) v1@2695,-1415 ; R5.1@2795,-1838.27 v1(2795,-1795) 2795,-1748.46 2797.2,-1746.26 2797.2,-1745.28 2804.02,-1738.46 R17.1@2805,-1738.46 ; R31.1@2920,-1581.73 2968.27,-1581.73 v1(2969.13,-1580.87) v1@2970,-1580
  Top Layer w15: C31.2@1445,-1526.73 1445.67,-1527.4 U7.5@1520.59,-1527.4 1525.89,-1527.4 1530,-1523.29 v1(1530,-1500)
  Top Layer w30: J3.3@2080,-196.85 2080,-332.8 2061.54,-351.26 D5.1@2055,-351.26 2067.06,-363.32 2117.18,-363.32 Q2.2@2162.6,-408.74
  Top Layer w40: U1.3@1638.11,-374.45 1615.12,-374.45 1614.8,-374.13 1614.8,-373.43 1591.37,-350 v1(1500,-350) 1425,-350 1425,-300 C9.2@1410,-285 1410,-175 1490,-95 1878.15,-95 J3.4@1980,-196.85
  Layer 2 w10: J3.3@2080,-196.85 2218.15,-335 2540,-335 2635,-430 2795,-430 2705,-520 2705,-685 2655,-735 2655,-970 2693.76,-1008.76 v1(2693.76,-1416.24) ; v1(2630,-1610) 2630,-1480 v1(2693.76,-1416.24) ; v1(2795,-1795) 2880,-1795 2969.13,-1705.87 v1(2969.13,-1580.87) 2804.51,-1416.24 v1(2693.76,-1416.24)
  Layer 2 w20: v1(1054,-1175.68) 1054,-1006 v1(1150,-910)
  Bottom Layer w10: J3.3@2080,-196.85 2143.15,-260 2400,-260 v1(2425,-235)
  Bottom Layer w20: v1(1025,-625) 1025,-765 v1(1040,-780) 1040,-800 v1(1150,-910) ; v1(1054,-1175.68) 1054,-1239 1158.57,-1343.57 1428.57,-1343.57 1530,-1445 v1(1530,-1500)
  Bottom Layer w30: v1(1040,-780) 1320,-780 1440,-660 1440,-385 1455,-370 1455,-355 1460,-350 1475,-350
  Bottom Layer w40: J3.4@1980,-196.85 J3.3@2080,-196.85
  other v1: 1465,-305
485_A: F2.1 J7.12 J8.2 J9.1 | length 1418.1
  Top Layer w15: J7.12@355,-1540 420,-1605 F2.1@475.35,-1605 475.35,-1583.79 491.48,-1567.66 F2.1@491.48,-1558.52 ; J9.1@989.69,-1515 J9.1@1009.69,-1495
  Bottom Layer w7: J7.12@355,-1540 400,-1495 J9.1@1009.69,-1495 1079.69,-1565 1275,-1565 1320,-1520 1320,-1475 J8.2@1240,-1395
485_B: F1.1 J6.1 J7.11 R61.1 | length 1204.7
  Top Layer w7: J6.1@1124.69,-1495 1184.69,-1555 1280,-1555 1319.06,-1515.94 R61.1@1360,-1515.94
  Top Layer w15: J7.11@355,-1440 459.23,-1440 475.35,-1423.88 F1.1@475.35,-1415
  Bottom Layer w7: J7.11@355,-1440 360,-1445 1074.69,-1445 J6.1@1124.69,-1495
\TXEN: R16.2 U3.37 U7.2 | length 581.6
  Top Layer w7: v1(1770,-1155) 1788.62,-1136.38 U3.37@1788.62,-1041
  Top Layer w15: U7.2@1619.41,-1490 v1(1658.84,-1490) R16.2@1698.27,-1490
  Layer 2 w10: v1(1658.84,-1490) 1658.84,-1488.3 1670,-1477.13 1670,-1285 1770,-1185 v1(1770,-1155)
AI1: C23.2 D1.2 R25.2 U3.38 | length 1744
  Top Layer w7: R25.2@1191.73,-330 1245,-330 1310,-395 1310,-650 1365,-705 1470,-705 v1(1490,-725) ; v1(1590,-1225) D1.2@1590,-1266.54 1623.27,-1266.54 1635.7,-1278.97 1635.7,-1279.96 1644.02,-1288.27 C23.2@1645,-1288.27 1645,-1260 1690.5,-1214.5 1760.5,-1214.5 1804.37,-1170.63 U3.38@1804.37,-1041
  Layer 2 w10: v1(1490,-725) 1487.32,-727.68 1477.32,-727.68 1450,-755 1450,-840 1490,-880 1555,-880 1655,-980 1655,-1160 v1(1590,-1225)
AI2: C24.2 D2.2 R38.2 U3.39 | length 1259.5
  Top Layer w7: R38.2@1243.46,-735 1435,-735 v1(1480,-780) ; D2.2@1700,-1266.54 1733.27,-1266.54 1745.7,-1278.97 1745.7,-1279.96 1754.02,-1288.27 C24.2@1755,-1288.27 1755,-1250 1820.12,-1184.88 U3.39@1820.12,-1041
  Layer 2 w10: v1(1480,-780) 1555,-780 1815,-1040 1815,-1185 v1(1760,-1240)
AI3: C25.2 D3.2 J2.8 U3.40 | length 1243.4
  Top Layer w7: U3.40@1835.87,-1041 1835.87,-1245.67 1827.25,-1254.29 1825.28,-1254.29 1815,-1264.57 D3.2@1815,-1266.54 1815,-1268.5 1825.28,-1278.78 1827.25,-1278.78 1836.73,-1288.27 C25.2@1875,-1288.27
  Bottom Layer w7: J2.8@1580,-1771.65 1580,-1705 1605,-1680 1920,-1680 1945,-1655 1945,-1490 1905,-1450 1905,-1340 1835,-1270 v1(1835,-1215)
AI4: C26.2 D4.2 J2.7 U3.41 | length 1146.2
  Top Layer w7: U3.41@1851.61,-1041 1851.61,-1183.15 1922.75,-1254.29 1924.72,-1254.29 1935,-1264.57 D4.2@1935,-1266.54 1968.27,-1266.54 1980.7,-1278.97 1980.7,-1279.96 1989.02,-1288.27 C26.2@1990,-1288.27
  Bottom Layer w7: J2.7@1680,-1771.65 1680,-1760 1740,-1700 1940,-1700 1965,-1675 1965,-1365 1887.18,-1287.18 v1(1887.18,-1218.72)
AO: C40.1 J7.2 R54.2 R56.2 | length 264.9
  Top Layer w15: J7.2@355,-540 R56.2@462.95,-540 R54.2@462.95,-460 458.27,-455.32 C40.1@458.27,-385
AVDD3V: C17.1 D1.1 D2.1 D3.1 D4.1 R1.2 U2.1 U3.43 | length 1591.2
  Top Layer w7: U3.43@1901,-1007.36 2057.36,-1007.36 C17.1@2230,-1180
  Top Layer w10: v1(1590,-1380) 1593.83,-1383.83 1603.68,-1383.83 1605.86,-1386 1688.59,-1386 1694.59,-1380 v1(1700,-1380) 1700.86,-1380 1715.86,-1395 1799.59,-1395 1809.59,-1385 v1(1815,-1385) 1818.83,-1388.83 1828.68,-1388.83 1830.86,-1391 1934,-1391 v1(1935,-1390) 2260,-1390 2275,-1375 2275,-1310 2244.69,-1279.69 2244.69,-1276.81 2237.87,-1270 U2.1@2230,-1270
  Top Layer w15: v1(1590,-1380) D1.1@1590,-1333.46 ; v1(1700,-1380) D2.1@1700,-1333.46 ; v1(1815,-1385) D3.1@1815,-1336.73 ; v1(1935,-1390) D4.1@1935,-1341.73 ; R1.2@2160,-1278.27 2213.86,-1278.27 2222.13,-1270 U2.1@2230,-1270 C17.1@2230,-1180
BLE_RX: U3.6 U9.8 | length 4053.7
  Top Layer w7: U3.6@1788.62,-769 1788.62,-721.38 1810,-700 1810,-625 1965,-470 v1(1965,-340) ; v1(1960,-115) 2015,-60 2855,-60 3265,-470 3630,-470 3845,-685 3845,-1455 3617.25,-1682.75 3617.25,-1706.41 U9.8@3605,-1718.66
  Bottom Layer w7: v1(1960,-115) 1930,-145 1930,-305 v1(1965,-340)